# Altium PCB Crawler_PCB_V2.0.PcbDoc (part 1 of 2)
Units mm, origin at the board's own origin, x right, y up, seen from the top; angles counter-clockwise.
Board outline 95 x 94.99 mm, 4 copper layers (Top Copper, INT1, INT2, Bottom Copper), stack 1.57 mm thick; 143 components, 106 nets, 516 pads, 462 vias.
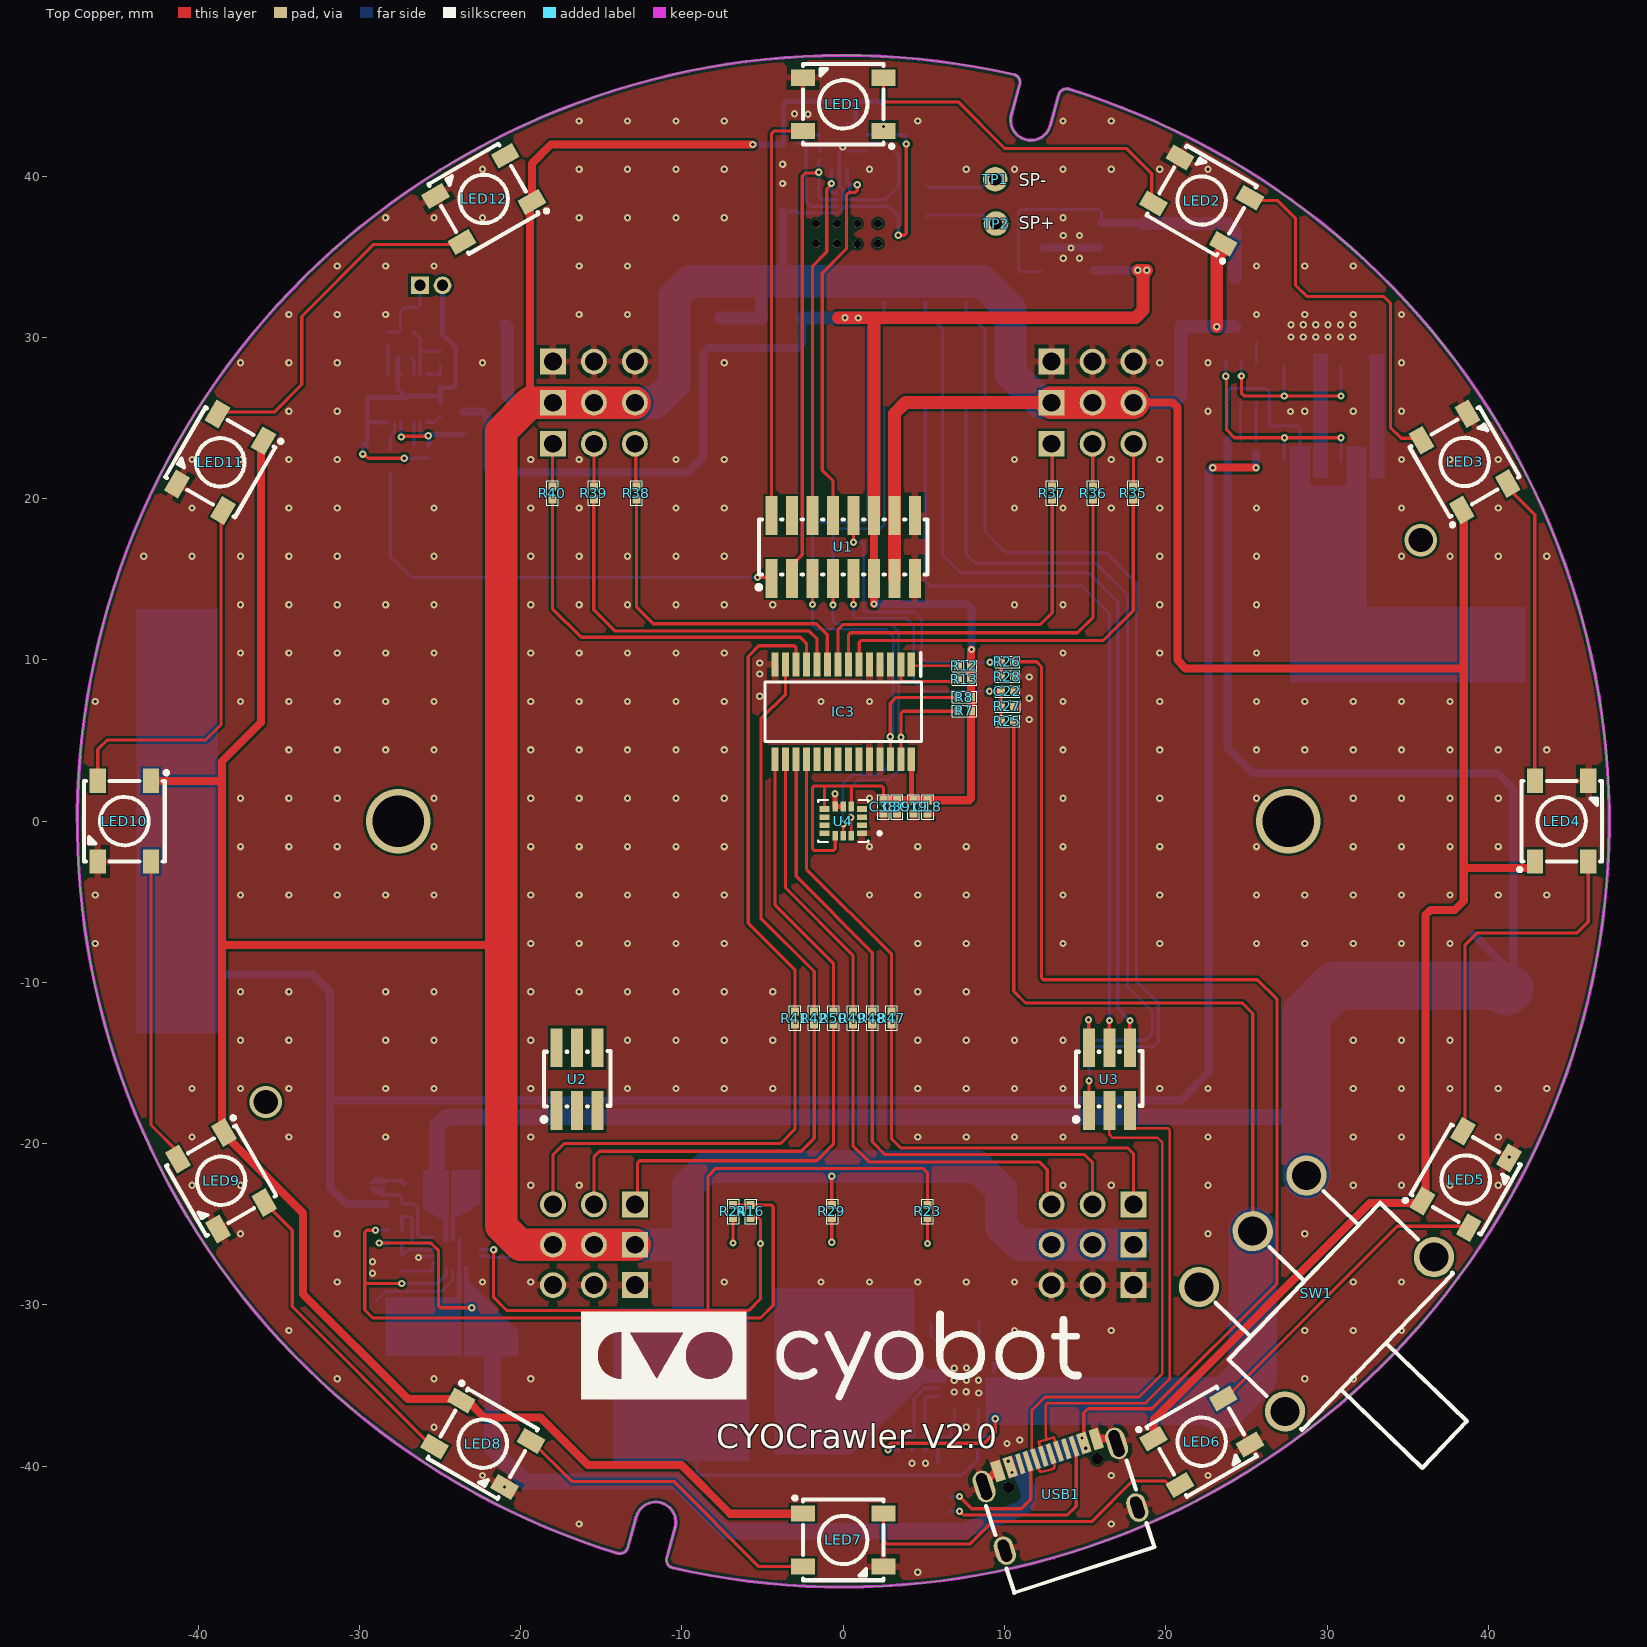
[diagram p0: Top Copper view]
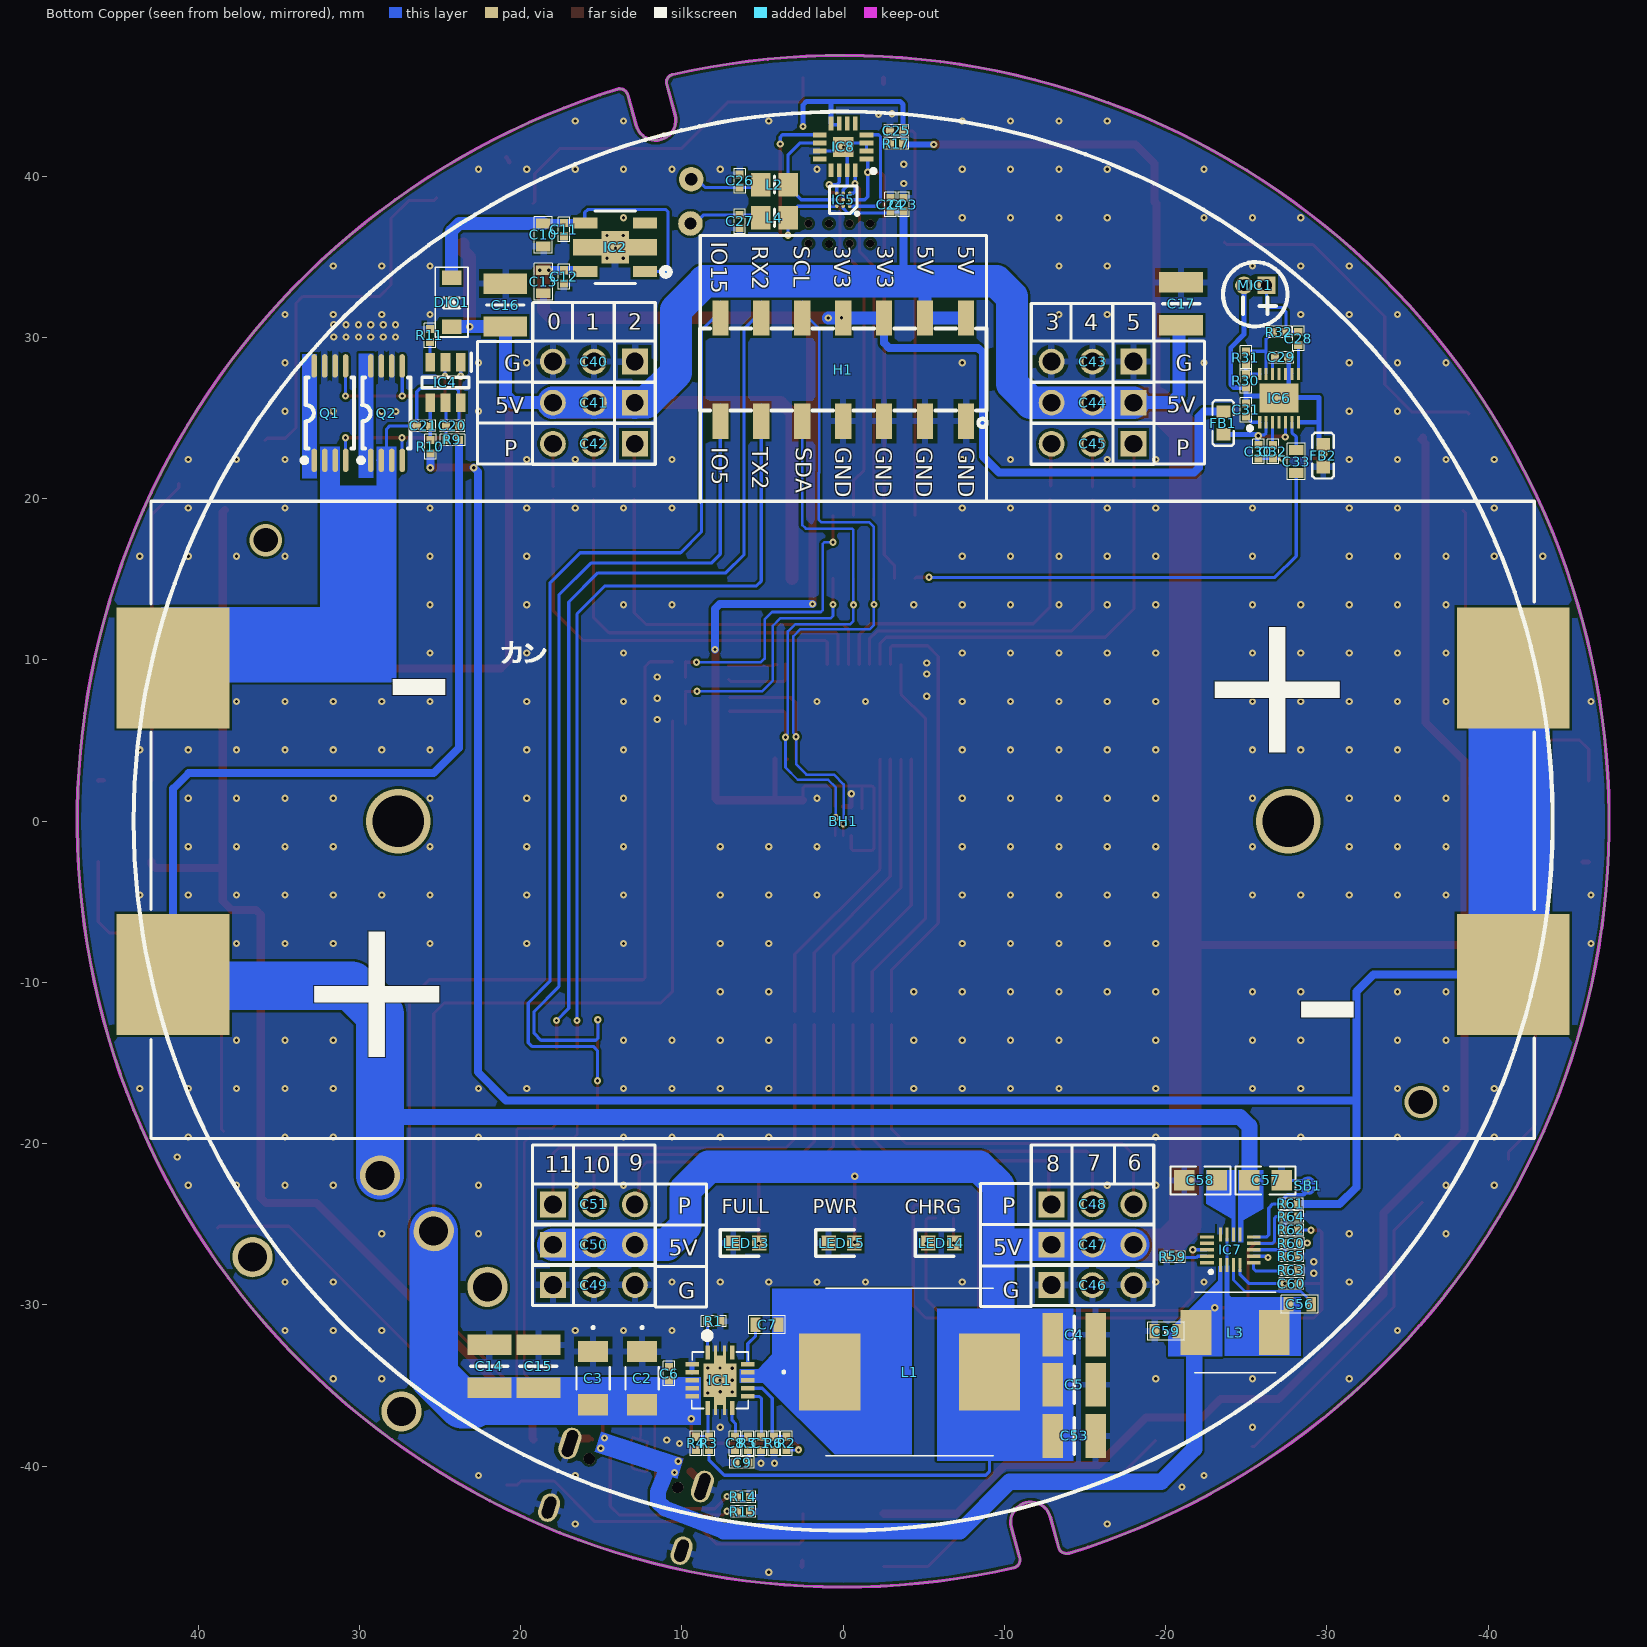
[diagram p1: Bottom Copper view, seen from below]
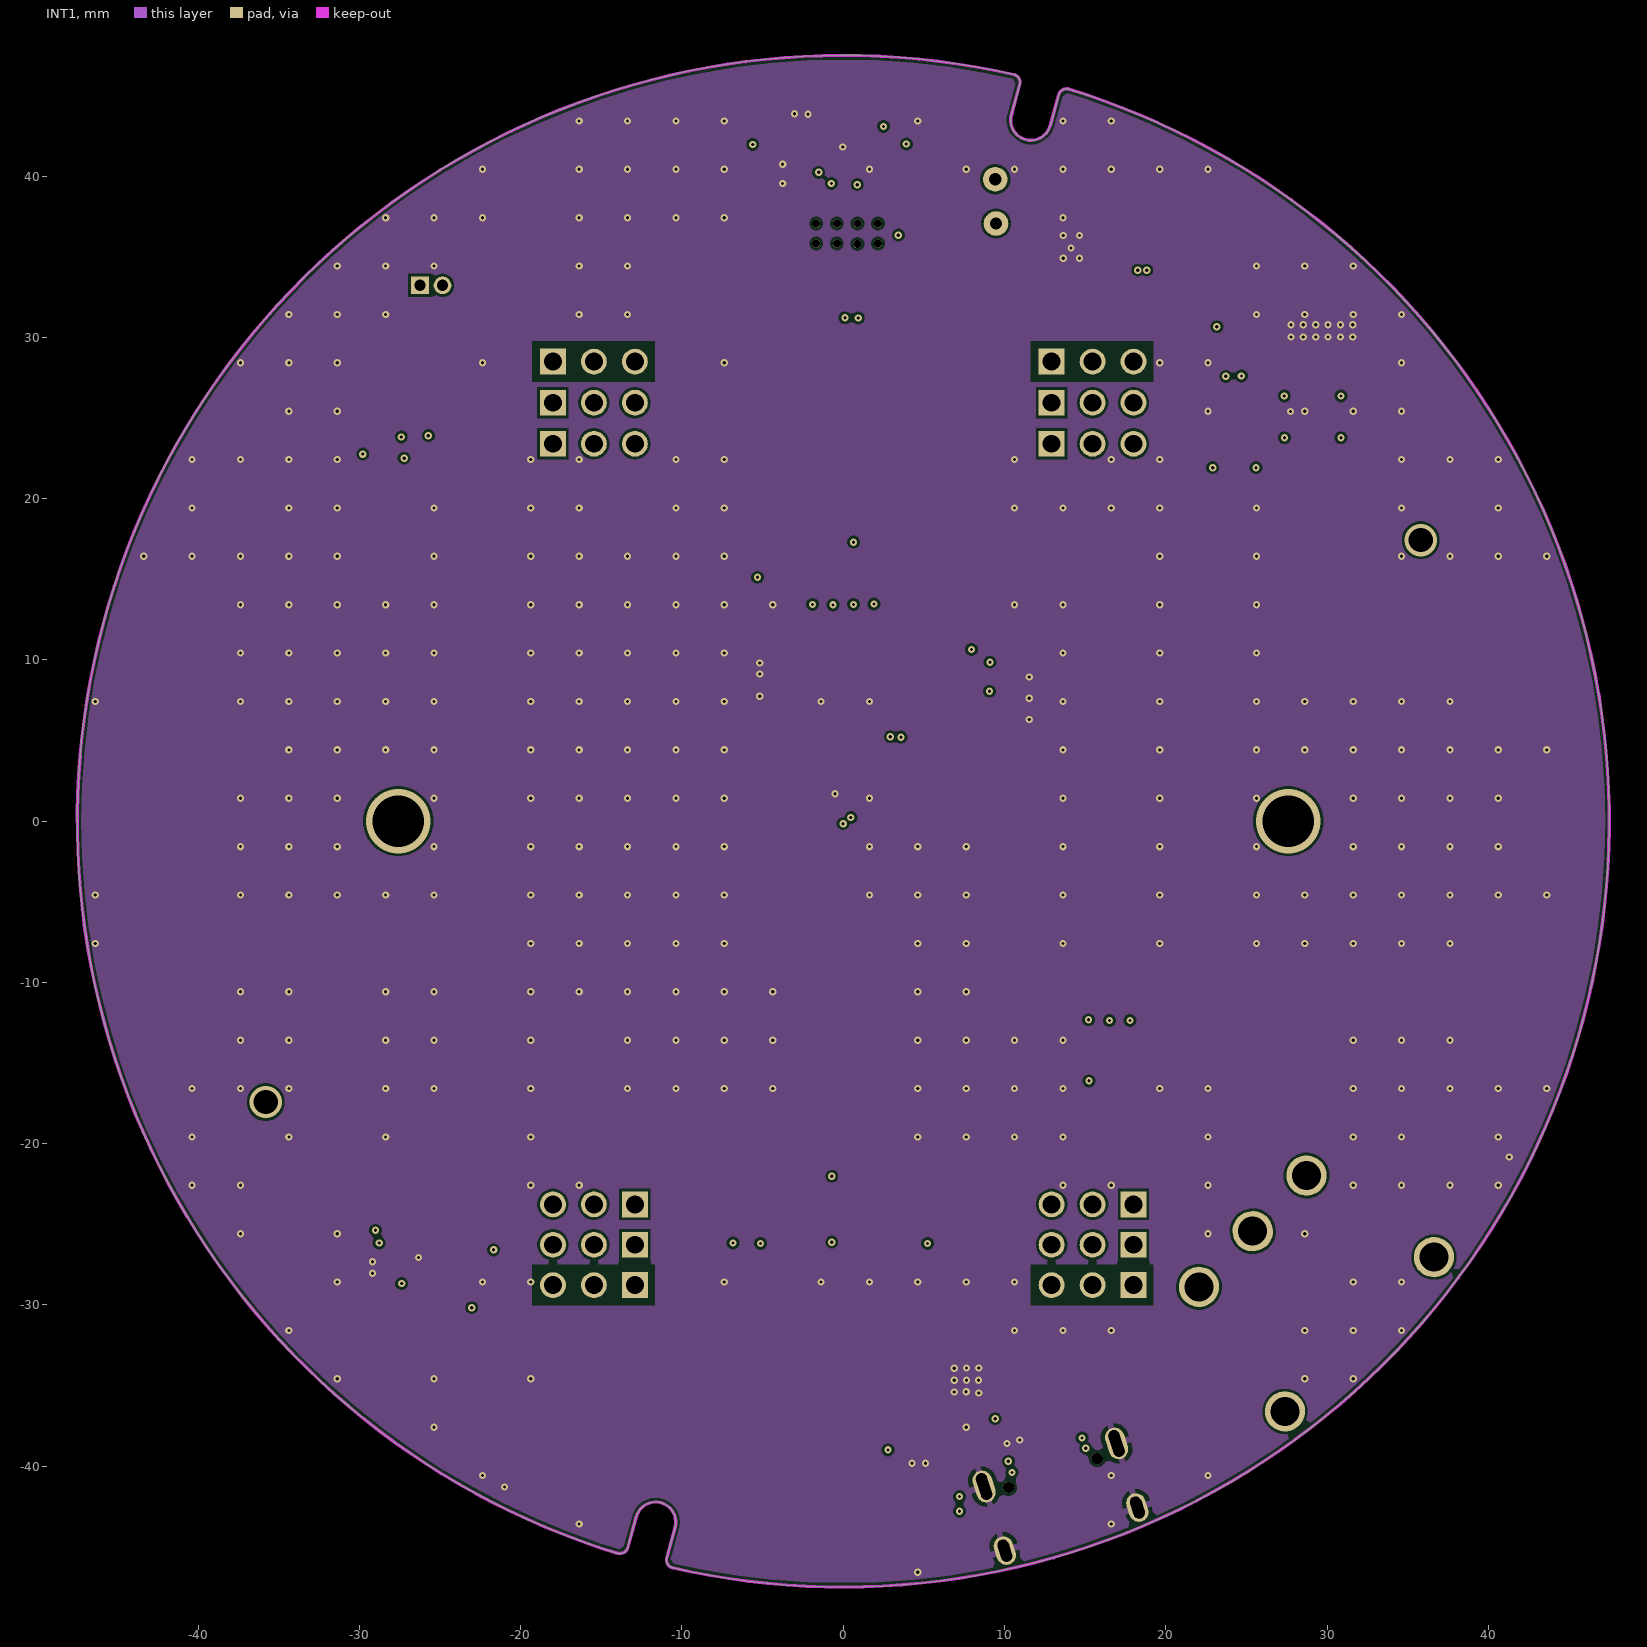
[diagram p2: INT1]
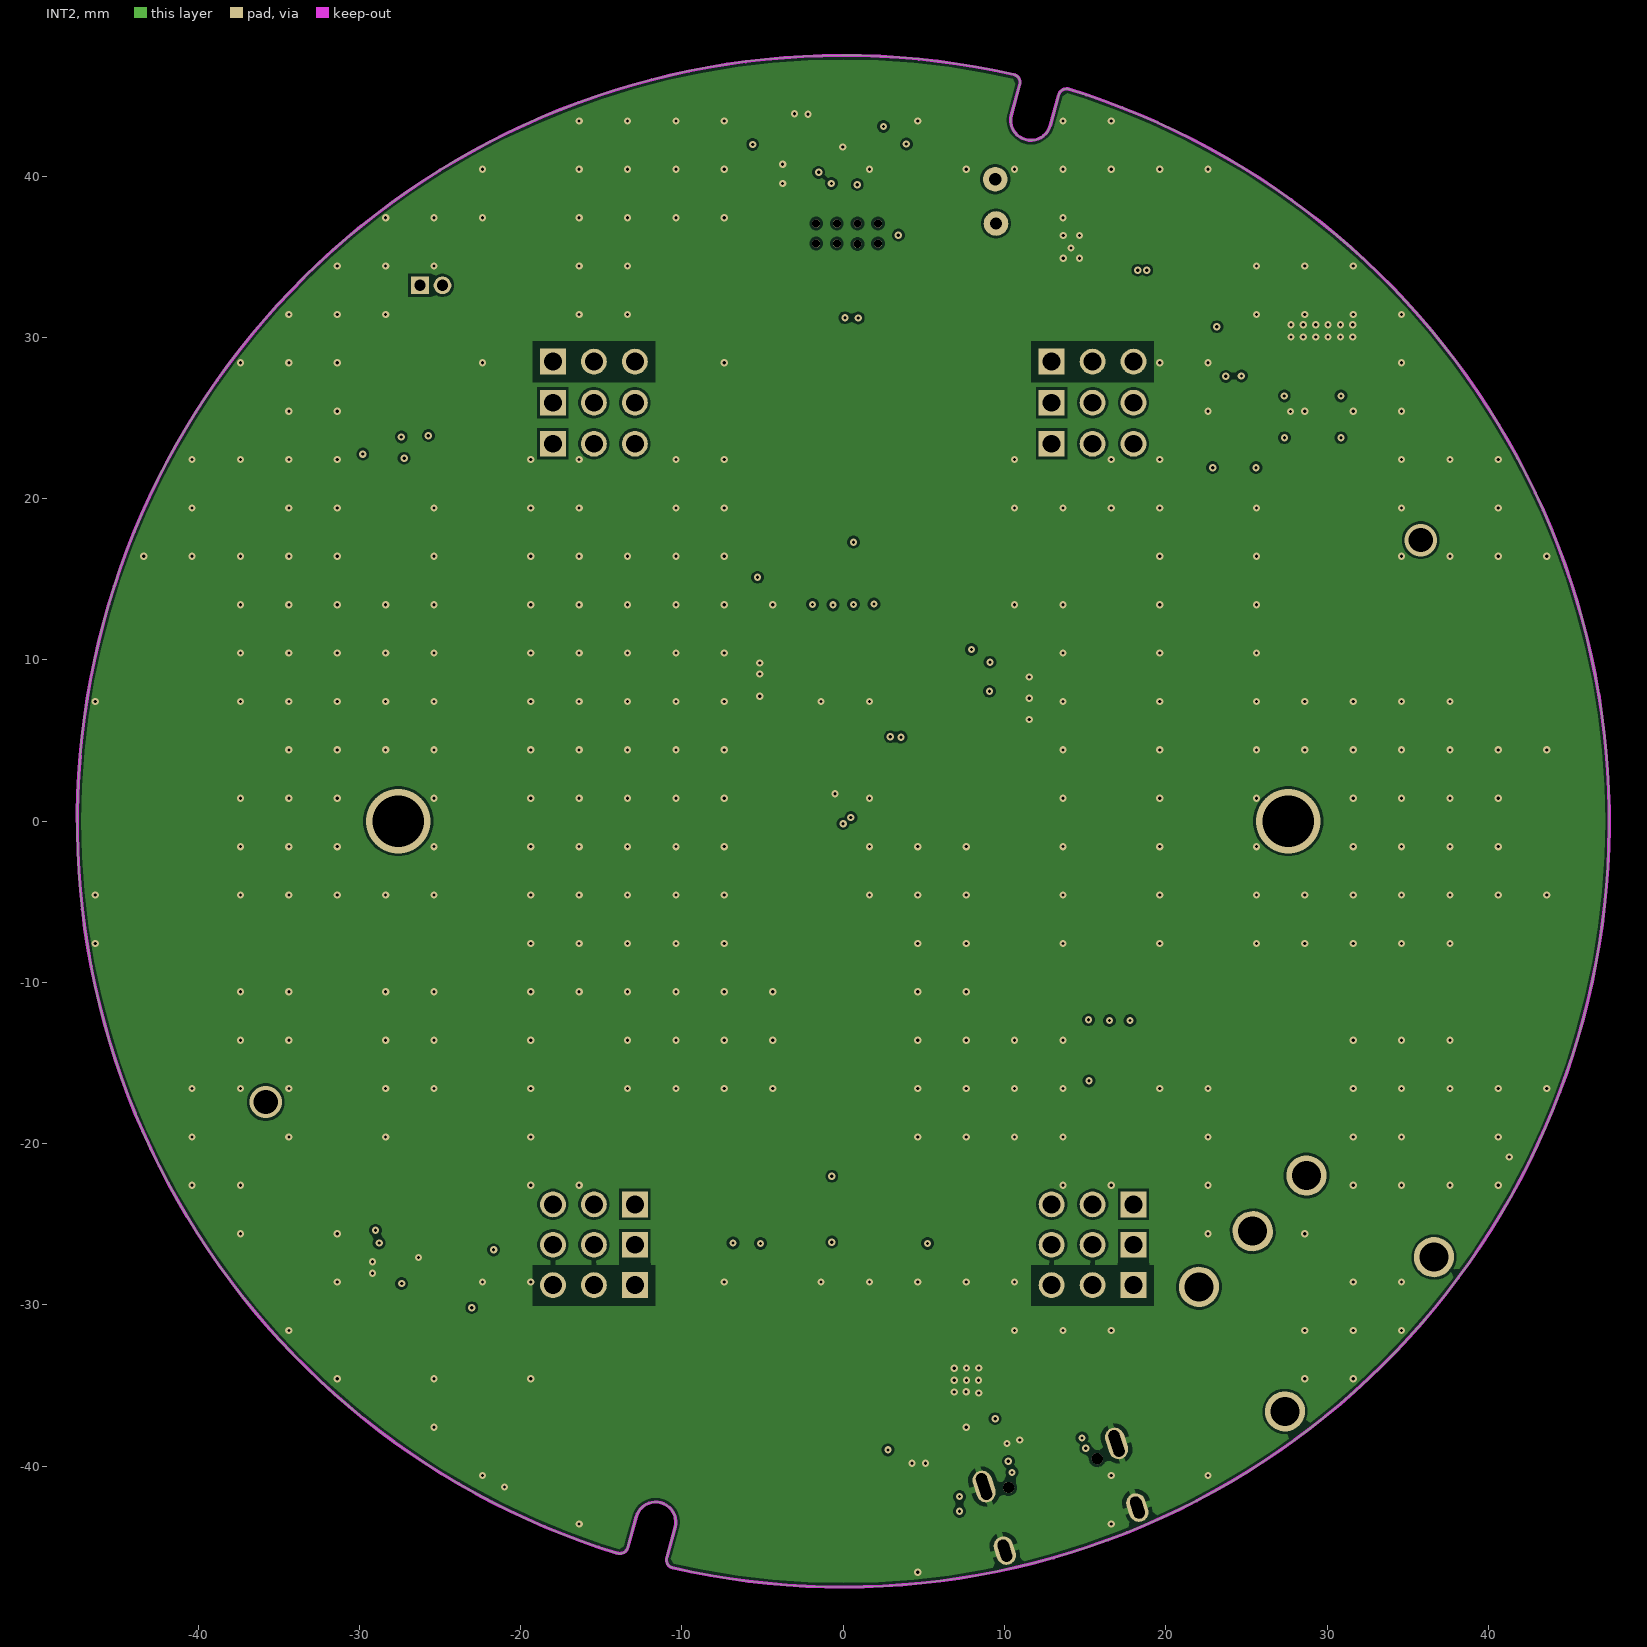
[diagram p3: INT2]
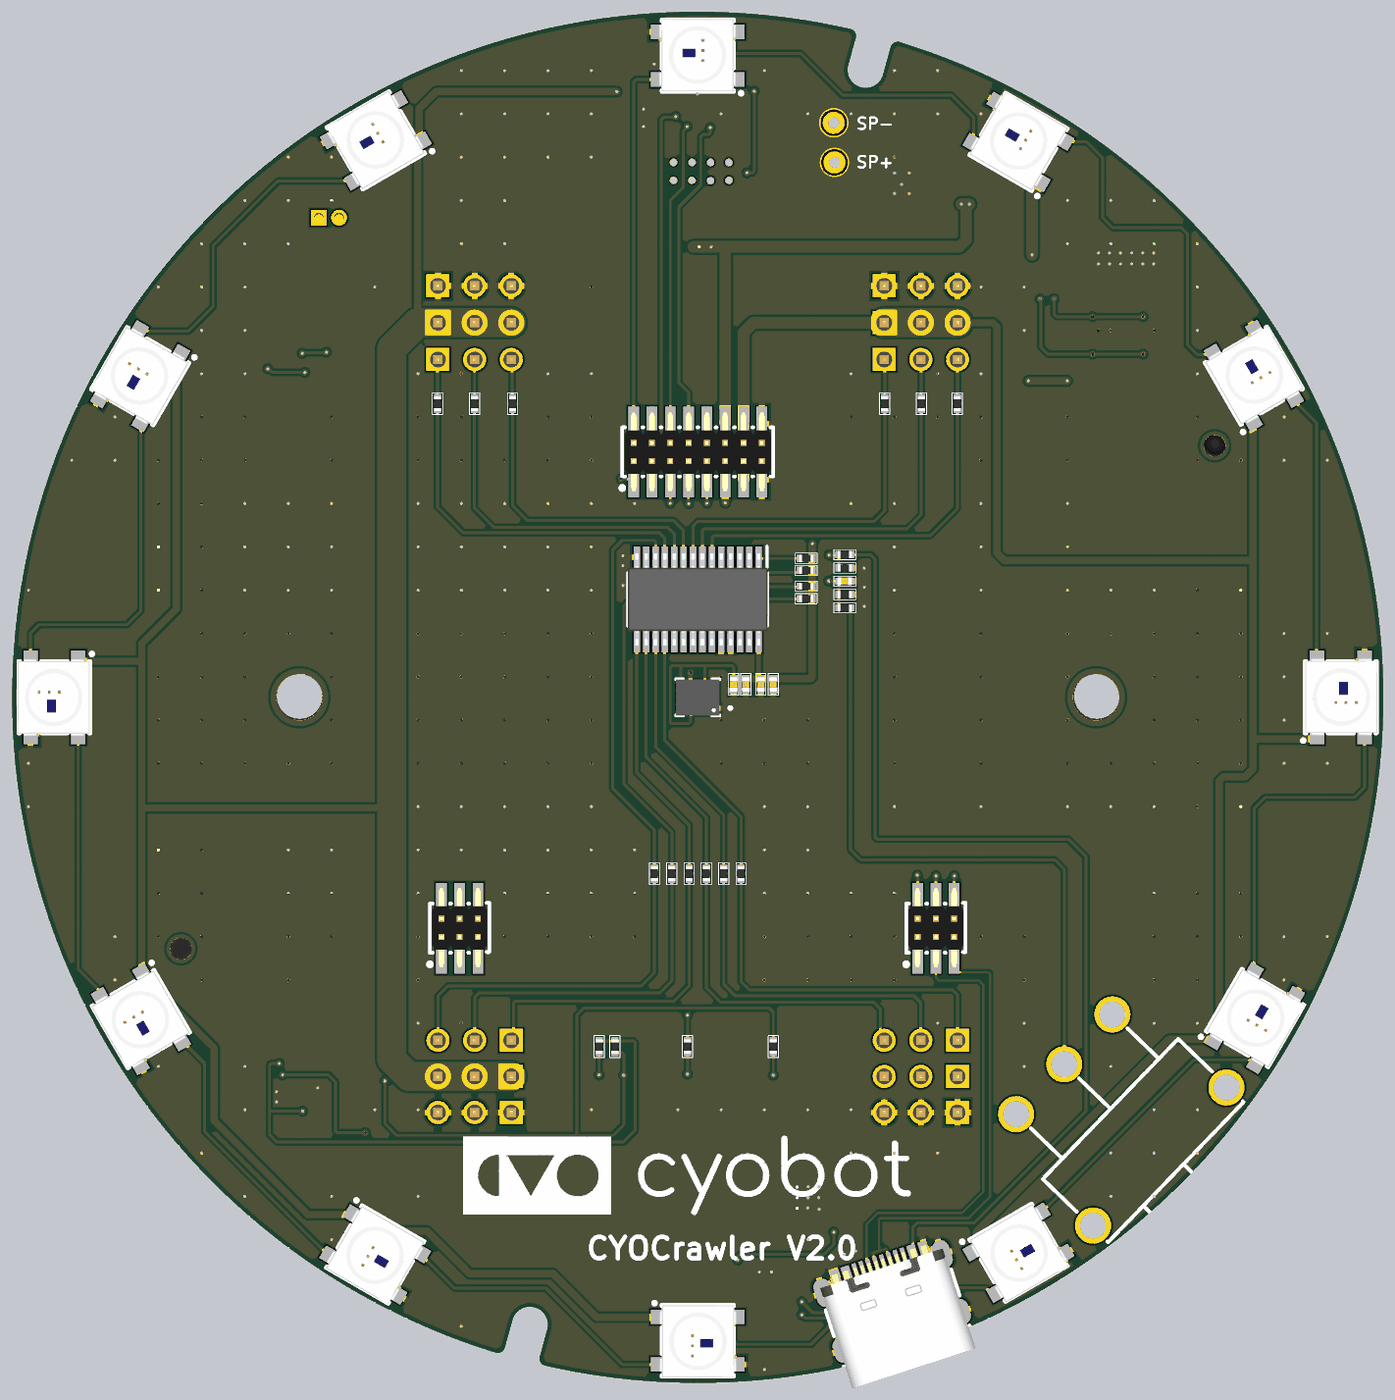
[diagram p5: 3D render of the assembled board from above, using the file's embedded part models]
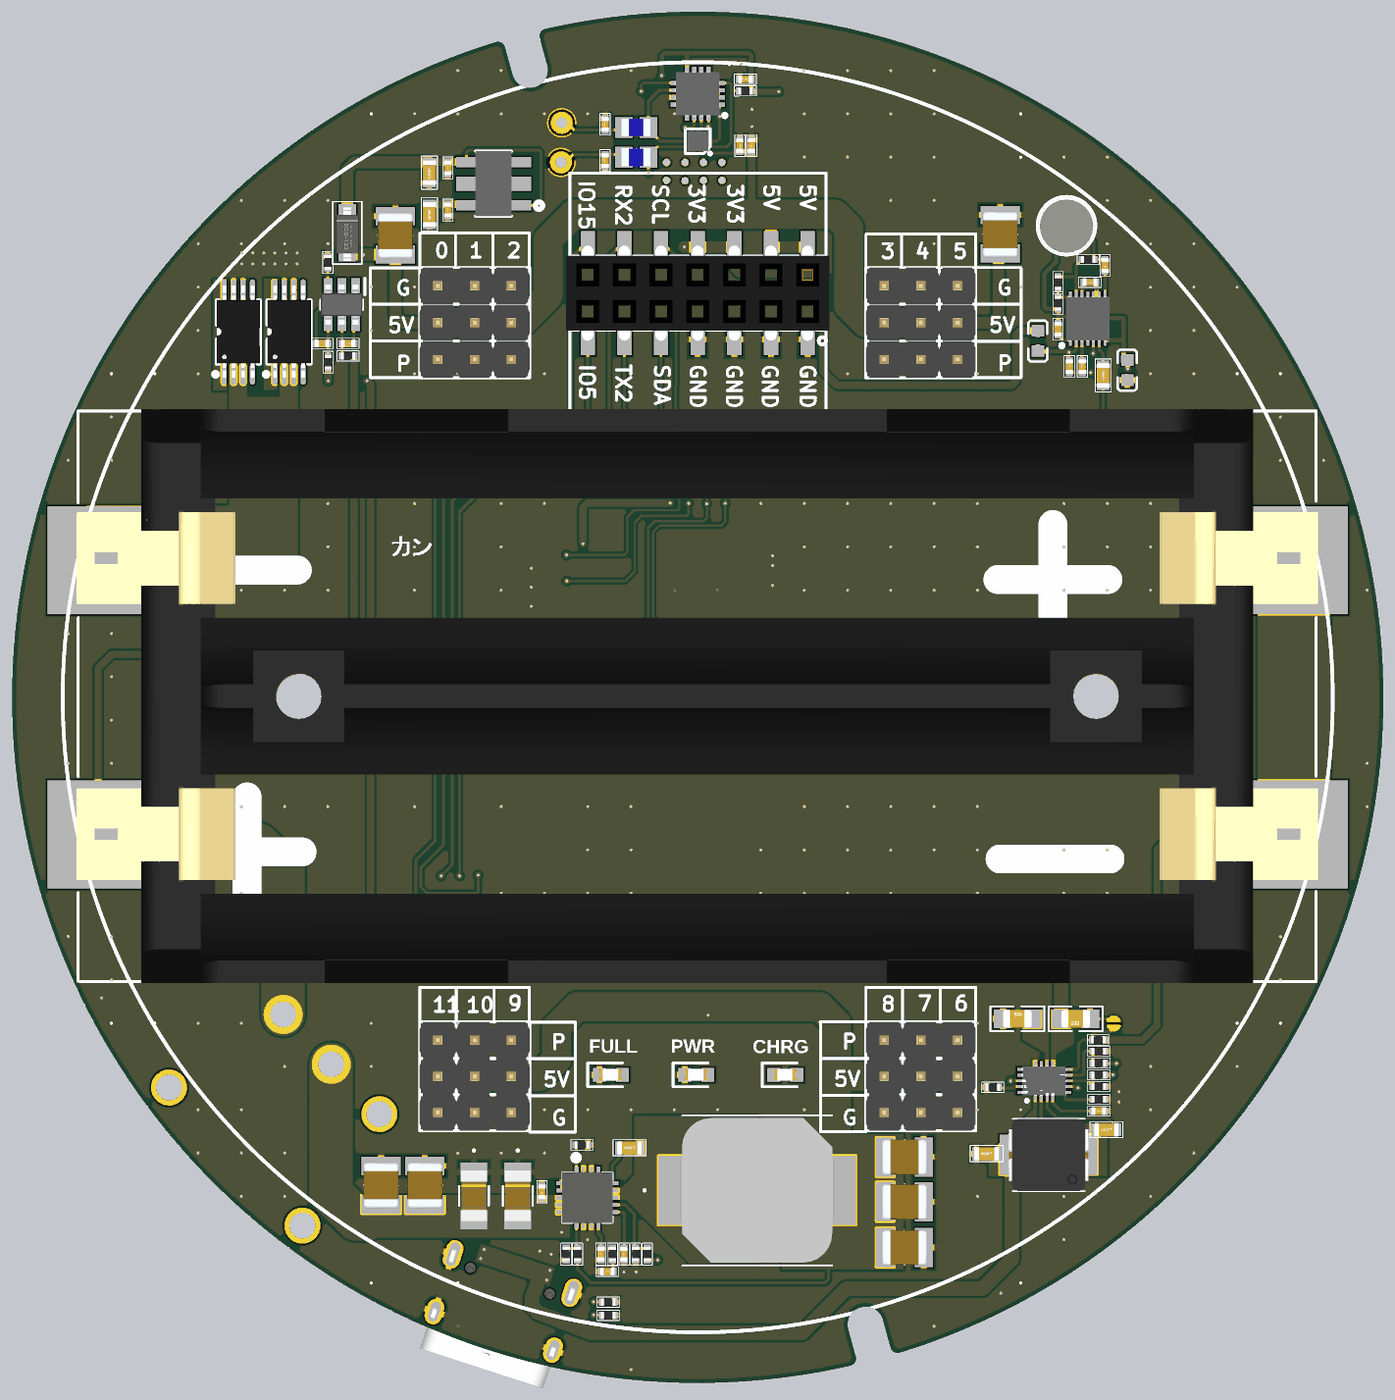
[diagram p6: 3D render of the assembled board from below, using the file's embedded part models]

## Layer stack, top to bottom
Top Mask: solder mask 0.015, Solder Resist, Dk 3.8
Top Copper: signal copper 0.035
Dielectric 1: prepreg 0.2, 7628, Dk 4.6
INT1: signal copper 0.0175
Core: core 1.065, FR-4, Dk 4.5
INT2: signal copper 0.0175
Dielectric 2: prepreg 0.2, 7628, Dk 4.6
Bottom Copper: signal copper 0.035
Bottom Mask: solder mask 0.015, Solder Resist, Dk 3.8

## Board outline
-14.023,-45.398 ccw(c-13.854,-44.918) -13.354,-45.013 -12.835,-43.131 cw(c-11.632,-43.472) -10.42,-43.777 -10.935,-45.646 ccw(c-10.466,-45.817) -10.565,-46.307 -10.589,-46.304 ccw(c0.001,0) 13.925,45.414 14.015,45.381 ccw(c13.843,44.911) 13.353,45.011 12.834,43.129 cw(c11.631,43.469) 10.419,43.775 10.935,45.643 ccw(c10.465,45.815) 10.564,46.305 ccw(c0.002,-0.011)

## Design rules (kind name [scope] priority, off if disabled: settings)
Clearance [All] p1: gap=0.16 ignorepadtopadclearanceinfootprint=TRUE
PolygonConnect [All] p1: thpad.connectstyle=Relief thpad.reliefconductorwidth=0.4 thpad.reliefentries=4 thpad.polygonreliefangle="90 Angle" thpad.airgapwidth=0.254 smdpad.connectstyle=Relief smdpad.reliefconductorwidth=0.4 smdpad.reliefentries=4 smdpad.polygonreliefangle="90 Angle" smdpad.airgapwidth=0.254 via.connectstyle=Direct via.reliefconductorwidth=0.254 via.reliefentries=4 via.polygonreliefangle="90 Angle" via.airgapwidth=0.254
RoutingVias [All] p1: holewidth=0.2 width=0.45 viastyle="Through Hole" minholewidth=0.2 minwidth=0.45 maxholewidth=0.2 maxwidth=0.45
SolderMaskExpansion [All] p1: expansion=0.102 istentingtop=FALSE
Width [All] p1: maxlimit=3 minlimit=0.16 preferedwidth=0.16
30 further rules are at their usual default settings.

## Classes and differential pairs
component class Crawler_Sensor_V2.0: C18 C19 C22 C23 C24 C25 C26 C27 C28 C29 C30 C31 C32 C33 C38 C39 C40 C41 C42 C43 C44 C45 C46 C47 C48 C49 C50 C51 FB1 FB2 H1 IC3 IC5 IC6 IC8 L2 L4 LED1 LED2 LED3 LED4 LED5 LED6 LED7 LED8 LED9 LED10 LED11 LED12 MIC1 R7 R8 R12 R13 R17 R25 R26 R27 R28 R30 R31 R32 R35 R36 R37 R38 R39 R40 R41 R42 R47 R48 R49 R50 TP1 TP2 U1 U2 U3 U4
component class Crawler_power_V2.0: 3 BH1 C1 C2 C3 C4 C5 C6 C7 C8 C9 C10 C11 C12 C13 C14 C15 C16 C17 C20 C21 C53 C56 C57 C58 C59 C60 DIO1 IC1 IC2 IC4 IC7 L1 L3 LED13 LED14 LED15 Q1 Q2 R1 R2 R3 R4 R5 R6 R9 R10 R11 R14 R15 R16 R23 R24 R29 R59 R60 R61 R62 R63 R64 R65 SB1 SW1 USB1
